# Altium PCB Headstage_V003.PcbDoc (part 2 of 2) (continued)
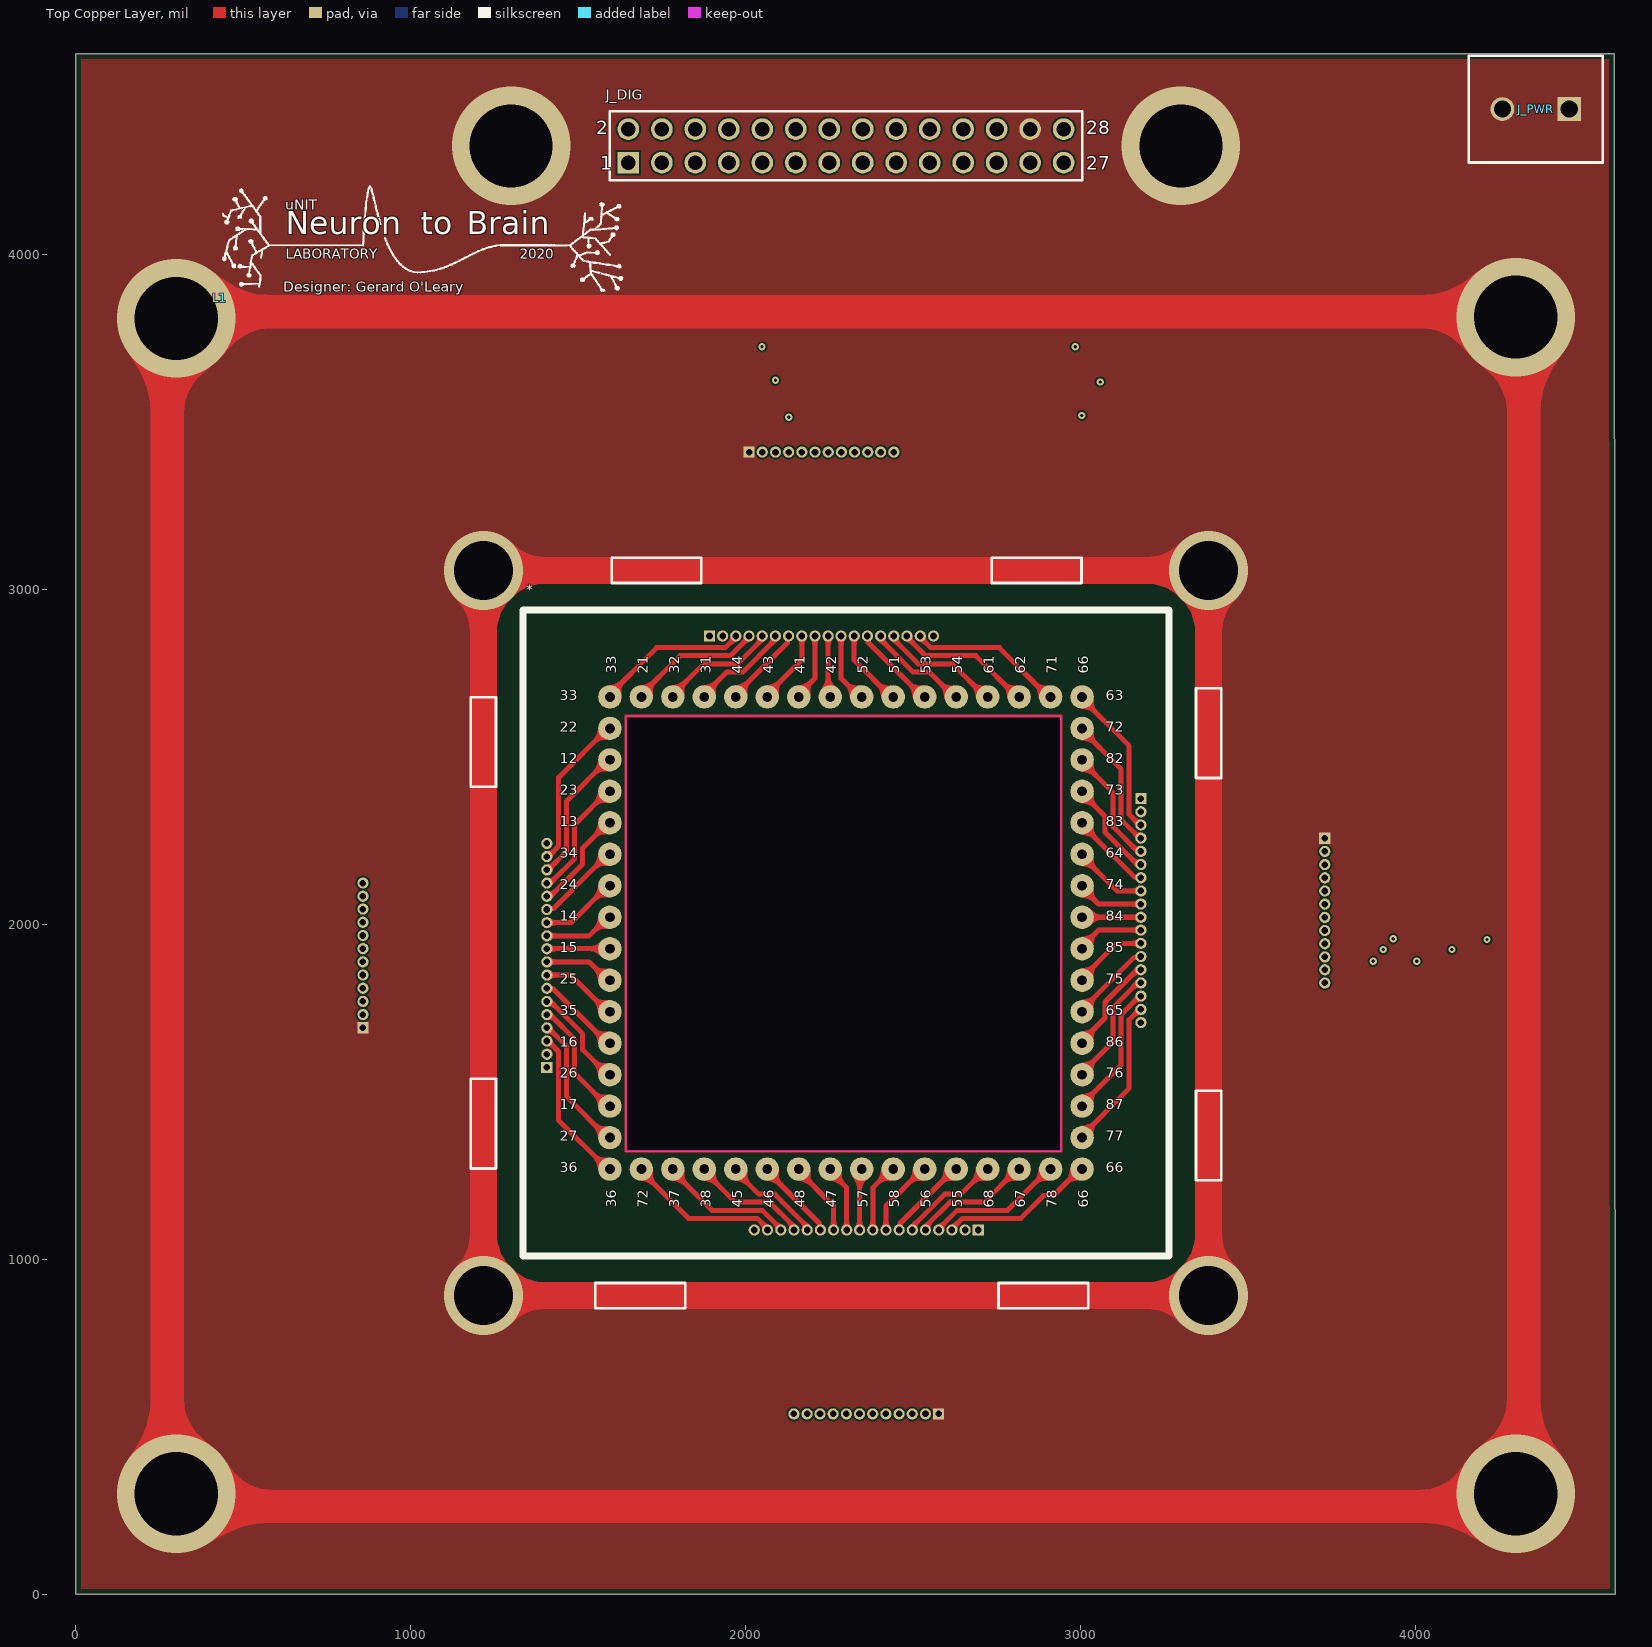
[diagram p0: Top Copper Layer view]
## Nets (pads, with @x,y where several pads share a name; then routed paths per layer and width w, separated by ;. In a path a pad name is that pad's centre, name@x,y a point inside that pad or via, vN(x,y) a via of type N, cw(c..) or ccw(c..) an arc to the next point about the centre after c; other vN are vias at no path point) (continued)
  Internal Copper Layer 1 w15: *.31@1869.76,2679.5 1944.76,2754.5 1992.76,2754.5 2086.61,2848.35 2086.61,2858.92 M4.18@2089.18,2861.5
  Internal Copper Layer 2 w15: 1944.76,2754.5 1869.76,2679.5 1944.76,2754.5 ; 1944.76,2754.5 1992.76,2754.5 ; 1944.76,2754.5 1992.76,2754.5 ; 1992.76,2754.5 M4.18@2086.61,2848.35 ; 1992.76,2754.5 M4.18@2086.61,2848.35 ; M4.18@2086.61,2848.35 M4.18@2086.61,2858.92 ; M4.18@2086.61,2848.35 M4.18@2086.61,2858.92 ; M4.18@2086.61,2858.92 M4.18@2089.18,2861.5 M4.18@2086.61,2858.92
  Bottom Copper Layer w15: *.31@1869.76,2679.5 1944.76,2754.5 1992.76,2754.5 2086.61,2848.35 2086.61,2858.92 M4.18@2089.18,2861.5
E4_4: *.44 M4.19 | length 2002.1
  Top Copper Layer w15: *.44@1963.76,2679.5 2012.76,2728.5 ; *.44@1963.76,2679.5 2012.76,2728.5 ; *.44@1963.76,2679.5 2012.76,2728.5 ; *.44@1963.76,2679.5 2012.76,2728.5 ; 2012.76,2728.5 2125.98,2841.72 ; 2012.76,2728.5 2125.98,2841.72 ; 2012.76,2728.5 2125.98,2841.72 ; 2012.76,2728.5 2125.98,2841.72 ; 2125.98,2841.72 M4.19@2125.98,2858.92 ; 2125.98,2841.72 M4.19@2125.98,2858.92 ; 2125.98,2841.72 M4.19@2125.98,2858.92 ; 2125.98,2841.72 M4.19@2125.98,2858.92 ; M4.19@2125.98,2858.92 M4.19@2128.55,2861.5 ; M4.19@2125.98,2858.92 M4.19@2128.55,2861.5 ; M4.19@2125.98,2858.92 M4.19@2128.55,2861.5 ; M4.19@2125.98,2858.92 M4.19@2128.55,2861.5
  Internal Copper Layer 1 w15: *.44@1963.76,2679.5 2012.76,2728.5 2125.98,2841.72 2125.98,2858.92 M4.19@2128.55,2861.5
  Internal Copper Layer 2 w15: 2012.76,2728.5 1963.76,2679.5 2012.76,2728.5 ; 2012.76,2728.5 2125.98,2841.72 ; 2012.76,2728.5 2125.98,2841.72 ; 2125.98,2841.72 M4.19@2125.98,2858.92 ; 2125.98,2841.72 M4.19@2125.98,2858.92 ; M4.19@2125.98,2858.92 M4.19@2128.55,2861.5 M4.19@2125.98,2858.92
  Bottom Copper Layer w15: *.44@1963.76,2679.5 2012.76,2728.5 2125.98,2841.72 2125.98,2858.92 M4.19@2128.55,2861.5
E4_5: *.43 M4.20 | length 1821.1
  Top Copper Layer w15: *.43@2057.76,2679.5 2167.92,2789.67 ; *.43@2057.76,2679.5 2167.92,2789.67 ; *.43@2057.76,2679.5 2167.92,2789.67 ; *.43@2057.76,2679.5 2167.92,2789.67 ; 2167.92,2789.67 M4.20@2167.92,2861.5 ; 2167.92,2789.67 M4.20@2167.92,2861.5 ; 2167.92,2789.67 M4.20@2167.92,2861.5 ; 2167.92,2789.67 M4.20@2167.92,2861.5
  Internal Copper Layer 1 w15: *.43@2057.76,2679.5 2167.92,2789.67 M4.20@2167.92,2861.5
  Internal Copper Layer 2 w15: 2167.92,2789.67 2057.76,2679.5 2167.92,2789.67 ; 2167.92,2789.67 M4.20@2167.92,2861.5 2167.92,2789.67
  Bottom Copper Layer w15: *.43@2057.76,2679.5 2167.92,2789.67 M4.20@2167.92,2861.5
E4_6: *.41 M4.21 | length 1640
  Top Copper Layer w15: *.41@2151.76,2679.5 2207.29,2735.04 ; *.41@2151.76,2679.5 2207.29,2735.04 ; *.41@2151.76,2679.5 2207.29,2735.04 ; *.41@2151.76,2679.5 2207.29,2735.04 ; 2207.29,2735.04 M4.21@2207.29,2861.5 ; 2207.29,2735.04 M4.21@2207.29,2861.5 ; 2207.29,2735.04 M4.21@2207.29,2861.5 ; 2207.29,2735.04 M4.21@2207.29,2861.5
  Internal Copper Layer 1 w15: *.41@2151.76,2679.5 2207.29,2735.04 M4.21@2207.29,2861.5
  Internal Copper Layer 2 w15: 2207.29,2735.04 2151.76,2679.5 2207.29,2735.04 ; 2207.29,2735.04 M4.21@2207.29,2861.5 2207.29,2735.04
  Bottom Copper Layer w15: *.41@2151.76,2679.5 2207.29,2735.04 M4.21@2207.29,2861.5
E4_7: *.42 M4.22 | length 1456
  Top Copper Layer w15: *.42@2246.66,2679.5 M4.22@2246.66,2861.5 ; *.42@2246.66,2679.5 M4.22@2246.66,2861.5 ; *.42@2246.66,2679.5 M4.22@2246.66,2861.5 ; *.42@2246.66,2679.5 M4.22@2246.66,2861.5
  Internal Copper Layer 1 w15: *.42@2246.66,2679.5 M4.22@2246.66,2861.5
  Internal Copper Layer 2 w15: *.42@2246.66,2679.5 M4.22@2246.66,2861.5 *.42@2246.66,2679.5
  Bottom Copper Layer w15: *.42@2246.66,2679.5 M4.22@2246.66,2861.5
E4_8: *.52 M4.23 | length 1640
  Top Copper Layer w15: 2285.13,2735.04 M4.23@2285.13,2861.5 ; 2285.13,2735.04 M4.23@2285.13,2861.5 ; 2285.13,2735.04 M4.23@2285.13,2861.5 ; 2285.13,2735.04 *.52@2340.66,2679.5 ; 2285.13,2735.04 *.52@2340.66,2679.5 ; 2285.13,2735.04 *.52@2340.66,2679.5 ; 2285.13,2735.04 M4.23@2285.13,2861.5 ; 2285.13,2735.04 *.52@2340.66,2679.5
  Internal Copper Layer 1 w15: M4.23@2285.13,2861.5 2285.13,2735.04 *.52@2340.66,2679.5
  Internal Copper Layer 2 w15: 2285.13,2735.04 M4.23@2285.13,2861.5 2285.13,2735.04 ; 2285.13,2735.04 2340.66,2679.5 2285.13,2735.04
  Bottom Copper Layer w15: M4.23@2285.13,2861.5 2285.13,2735.04 *.52@2340.66,2679.5
E4_9: *.51 M4.24 | length 1821.1
  Top Copper Layer w15: 2324.5,2789.67 *.51@2434.66,2679.5 ; 2324.5,2789.67 *.51@2434.66,2679.5 ; 2324.5,2789.67 *.51@2434.66,2679.5 ; 2324.5,2789.67 *.51@2434.66,2679.5 ; 2324.5,2789.67 M4.24@2324.5,2861.5 ; 2324.5,2789.67 M4.24@2324.5,2861.5 ; 2324.5,2789.67 M4.24@2324.5,2861.5 ; 2324.5,2789.67 M4.24@2324.5,2861.5
  Internal Copper Layer 1 w15: M4.24@2324.5,2861.5 2324.5,2789.67 *.51@2434.66,2679.5
  Internal Copper Layer 2 w15: 2324.5,2789.67 M4.24@2324.5,2861.5 2324.5,2789.67 ; 2324.5,2789.67 2434.66,2679.5 2324.5,2789.67
  Bottom Copper Layer w15: M4.24@2324.5,2861.5 2324.5,2789.67 *.51@2434.66,2679.5
E4_10: *.53 M4.25 | length 2002.1
  Top Copper Layer w15: M4.25@2363.87,2861.5 M4.25@2366.44,2858.92 ; M4.25@2363.87,2861.5 M4.25@2366.44,2858.92 ; M4.25@2363.87,2861.5 M4.25@2366.44,2858.92 ; M4.25@2363.87,2861.5 M4.25@2366.44,2858.92 ; 2366.44,2841.72 M4.25@2366.44,2858.92 ; 2366.44,2841.72 2479.66,2728.5 ; 2366.44,2841.72 2479.66,2728.5 ; 2366.44,2841.72 2479.66,2728.5 ; 2366.44,2841.72 2479.66,2728.5 ; 2366.44,2841.72 M4.25@2366.44,2858.92 ; 2366.44,2841.72 M4.25@2366.44,2858.92 ; 2366.44,2841.72 M4.25@2366.44,2858.92 ; 2479.66,2728.5 *.53@2528.66,2679.5 ; 2479.66,2728.5 *.53@2528.66,2679.5 ; 2479.66,2728.5 *.53@2528.66,2679.5 ; 2479.66,2728.5 *.53@2528.66,2679.5
  Internal Copper Layer 1 w15: M4.25@2363.87,2861.5 2366.44,2858.92 2366.44,2841.72 2479.66,2728.5 *.53@2528.66,2679.5
  Internal Copper Layer 2 w15: 2366.44,2841.72 2479.66,2728.5 ; 2366.44,2841.72 2479.66,2728.5 ; 2366.44,2841.72 M4.25@2366.44,2858.92 ; 2366.44,2841.72 M4.25@2366.44,2858.92 ; M4.25@2366.44,2858.92 M4.25@2363.87,2861.5 M4.25@2366.44,2858.92 ; 2479.66,2728.5 2528.66,2679.5 2479.66,2728.5
  Bottom Copper Layer w15: M4.25@2363.87,2861.5 2366.44,2858.92 2366.44,2841.72 2479.66,2728.5 *.53@2528.66,2679.5
E4_11: *.54 M4.26 | length 2408.1
  Top Copper Layer w15: M4.26@2403.24,2861.5 M4.26@2405.81,2858.92 ; M4.26@2403.24,2861.5 M4.26@2405.81,2858.92 ; M4.26@2403.24,2861.5 M4.26@2405.81,2858.92 ; M4.26@2403.24,2861.5 M4.26@2405.81,2858.92 ; M4.26@2405.81,2848.35 2499.66,2754.5 ; M4.26@2405.81,2848.35 2499.66,2754.5 ; M4.26@2405.81,2848.35 2499.66,2754.5 ; M4.26@2405.81,2848.35 2499.66,2754.5 ; M4.26@2405.81,2848.35 M4.26@2405.81,2858.92 ; M4.26@2405.81,2848.35 M4.26@2405.81,2858.92 ; M4.26@2405.81,2848.35 M4.26@2405.81,2858.92 ; M4.26@2405.81,2848.35 M4.26@2405.81,2858.92 ; 2499.66,2754.5 2547.66,2754.5 ; 2499.66,2754.5 2547.66,2754.5 ; 2499.66,2754.5 2547.66,2754.5 ; 2499.66,2754.5 2547.66,2754.5 ; 2547.66,2754.5 *.54@2622.66,2679.5 ; 2547.66,2754.5 *.54@2622.66,2679.5 ; 2547.66,2754.5 *.54@2622.66,2679.5 ; 2547.66,2754.5 *.54@2622.66,2679.5
  Internal Copper Layer 1 w15: M4.26@2403.24,2861.5 2405.81,2858.92 2405.81,2848.35 2499.66,2754.5 2547.66,2754.5 *.54@2622.66,2679.5
  Internal Copper Layer 2 w15: M4.26@2405.81,2848.35 2499.66,2754.5 ; M4.26@2405.81,2848.35 2499.66,2754.5 ; M4.26@2405.81,2848.35 M4.26@2405.81,2858.92 ; M4.26@2405.81,2848.35 M4.26@2405.81,2858.92 ; M4.26@2405.81,2858.92 M4.26@2403.24,2861.5 M4.26@2405.81,2858.92 ; 2499.66,2754.5 2547.66,2754.5 ; 2499.66,2754.5 2547.66,2754.5 ; 2547.66,2754.5 2622.66,2679.5 2547.66,2754.5
  Bottom Copper Layer w15: M4.26@2403.24,2861.5 2405.81,2858.92 2405.81,2848.35 2499.66,2754.5 2547.66,2754.5 *.54@2622.66,2679.5
E4_12: *.61 M4.27 | length 2842.1
  Top Copper Layer w15: M4.27@2442.61,2861.5 M4.27@2445.18,2858.92 ; M4.27@2442.61,2861.5 M4.27@2445.18,2858.92 ; M4.27@2442.61,2861.5 M4.27@2445.18,2858.92 ; M4.27@2442.61,2861.5 M4.27@2445.18,2858.92 ; M4.27@2445.18,2848.98 2515.66,2778.5 ; M4.27@2445.18,2848.98 2515.66,2778.5 ; M4.27@2445.18,2848.98 2515.66,2778.5 ; M4.27@2445.18,2848.98 2515.66,2778.5 ; M4.27@2445.18,2848.98 M4.27@2445.18,2858.92 ; M4.27@2445.18,2848.98 M4.27@2445.18,2858.92 ; M4.27@2445.18,2848.98 M4.27@2445.18,2858.92 ; M4.27@2445.18,2848.98 M4.27@2445.18,2858.92 ; 2515.66,2778.5 2617.66,2778.5 ; 2515.66,2778.5 2617.66,2778.5 ; 2515.66,2778.5 2617.66,2778.5 ; 2515.66,2778.5 2617.66,2778.5 ; 2617.66,2778.5 *.61@2716.66,2679.5 ; 2617.66,2778.5 *.61@2716.66,2679.5 ; 2617.66,2778.5 *.61@2716.66,2679.5 ; 2617.66,2778.5 *.61@2716.66,2679.5
  Internal Copper Layer 1 w15: M4.27@2442.61,2861.5 2445.18,2858.92 2445.18,2848.98 2515.66,2778.5 2617.66,2778.5 *.61@2716.66,2679.5
  Internal Copper Layer 2 w15: M4.27@2445.18,2848.98 2515.66,2778.5 ; M4.27@2445.18,2848.98 2515.66,2778.5 ; M4.27@2445.18,2848.98 M4.27@2445.18,2858.92 ; M4.27@2445.18,2848.98 M4.27@2445.18,2858.92 ; M4.27@2445.18,2858.92 M4.27@2442.61,2861.5 M4.27@2445.18,2858.92 ; 2515.66,2778.5 2617.66,2778.5 ; 2515.66,2778.5 2617.66,2778.5 ; 2617.66,2778.5 2716.66,2679.5 2617.66,2778.5
  Bottom Copper Layer w15: M4.27@2442.61,2861.5 2445.18,2858.92 2445.18,2848.98 2515.66,2778.5 2617.66,2778.5 *.61@2716.66,2679.5
E4_13: *.62 M4.28 | length 3249.6
  Top Copper Layer w15: M4.28@2481.98,2857.86 2537.34,2802.5 ; M4.28@2481.98,2857.86 2537.34,2802.5 ; M4.28@2481.98,2857.86 2537.34,2802.5 ; M4.28@2481.98,2857.86 2537.34,2802.5 ; M4.28@2481.98,2857.86 M4.28@2481.98,2861.5 ; M4.28@2481.98,2857.86 M4.28@2481.98,2861.5 ; M4.28@2481.98,2857.86 M4.28@2481.98,2861.5 ; M4.28@2481.98,2857.86 M4.28@2481.98,2861.5 ; 2537.34,2802.5 2687.66,2802.5 ; 2537.34,2802.5 2687.66,2802.5 ; 2537.34,2802.5 2687.66,2802.5 ; 2537.34,2802.5 2687.66,2802.5 ; 2687.66,2802.5 *.62@2810.66,2679.5 ; 2687.66,2802.5 *.62@2810.66,2679.5 ; 2687.66,2802.5 *.62@2810.66,2679.5 ; 2687.66,2802.5 *.62@2810.66,2679.5
  Internal Copper Layer 1 w15: M4.28@2481.98,2861.5 2481.98,2857.86 2537.34,2802.5 2687.66,2802.5 *.62@2810.66,2679.5
  Internal Copper Layer 2 w15: M4.28@2481.98,2857.86 2537.34,2802.5 ; M4.28@2481.98,2857.86 2537.34,2802.5 ; M4.28@2481.98,2857.86 M4.28@2481.98,2861.5 M4.28@2481.98,2857.86 ; 2537.34,2802.5 2687.66,2802.5 ; 2537.34,2802.5 2687.66,2802.5 ; 2687.66,2802.5 2810.66,2679.5 2687.66,2802.5
  Bottom Copper Layer w15: M4.28@2481.98,2861.5 2481.98,2857.86 2537.34,2802.5 2687.66,2802.5 *.62@2810.66,2679.5
E4_14: *.71 M4.29 | length 3685.2
  Top Copper Layer w15: M4.29@2521.8,2857.86 M4.29@2521.8,2861.5 ; M4.29@2521.8,2857.86 M4.29@2521.8,2861.5 ; M4.29@2521.8,2857.86 M4.29@2521.8,2861.5 ; M4.29@2521.8,2857.86 M4.29@2521.8,2861.5 ; M4.29@2521.8,2857.86 M4.29@2530.44,2849.22 ; M4.29@2521.8,2857.86 M4.29@2530.44,2849.22 ; M4.29@2521.8,2857.86 M4.29@2530.44,2849.22 ; M4.29@2521.8,2857.86 M4.29@2530.44,2849.22 ; M4.29@2530.44,2848.77 M4.29@2530.44,2849.22 ; M4.29@2530.44,2848.77 M4.29@2530.44,2849.22 ; M4.29@2530.44,2848.77 M4.29@2530.44,2849.22 ; M4.29@2530.44,2848.77 M4.29@2530.44,2849.22 ; M4.29@2530.44,2848.77 2552.71,2826.5 ; M4.29@2530.44,2848.77 2552.71,2826.5 ; M4.29@2530.44,2848.77 2552.71,2826.5 ; M4.29@2530.44,2848.77 2552.71,2826.5 ; 2552.71,2826.5 2757.66,2826.5 ; 2552.71,2826.5 2757.66,2826.5 ; 2552.71,2826.5 2757.66,2826.5 ; 2552.71,2826.5 2757.66,2826.5 ; 2757.66,2826.5 *.71@2904.66,2679.5 ; 2757.66,2826.5 *.71@2904.66,2679.5 ; 2757.66,2826.5 *.71@2904.66,2679.5 ; 2757.66,2826.5 *.71@2904.66,2679.5
  Internal Copper Layer 1 w15: M4.29@2521.8,2861.5 2521.8,2857.86 2530.44,2849.22 2530.44,2848.77 2552.71,2826.5 2757.66,2826.5 *.71@2904.66,2679.5
  Internal Copper Layer 2 w15: M4.29@2521.8,2857.86 M4.29@2530.44,2849.22 ; M4.29@2521.8,2857.86 M4.29@2530.44,2849.22 ; M4.29@2521.8,2857.86 M4.29@2521.8,2861.5 M4.29@2521.8,2857.86 ; M4.29@2530.44,2848.77 2552.71,2826.5 ; M4.29@2530.44,2848.77 2552.71,2826.5 ; M4.29@2530.44,2848.77 M4.29@2530.44,2849.22 ; M4.29@2530.44,2848.77 M4.29@2530.44,2849.22 ; 2552.71,2826.5 2757.66,2826.5 ; 2552.71,2826.5 2757.66,2826.5 ; 2757.66,2826.5 2904.66,2679.5 2757.66,2826.5
  Bottom Copper Layer w15: M4.29@2521.8,2861.5 2521.8,2857.86 2530.44,2849.22 2530.44,2848.77 2552.71,2826.5 2757.66,2826.5 *.71@2904.66,2679.5
E4_15: M4.30
GND: J_DIG.26 J_PWR.1 J_PWR.2 M1.1 M2.1 M3.1 M4.1 MP?.1 | length 47791.8
  Top Copper Layer w80: v3(1217.32,891.81) 1217.32,1326.26 1217.32,1405 1217.32,1483.74 1217.32,2466.26 1217.32,2545 1217.32,2623.74 v3(1217.32,3057.17) 1655.59,3057.17 1734.33,3057.17 1813.07,3057.17 2790.59,3057.17 2869.33,3057.17 2948.07,3057.17 v3(3382.68,3057.17) 3382.68,2650 3382.68,2571.26 3382.68,2492.52 3382.68,1448.74 3382.68,1370 3382.68,1291.26 v3(3382.68,891.81) 2968.07,891.81 2889.33,891.81 2810.59,891.81 1764.33,891.81 1685.59,891.81 1606.85,891.81 v3(1217.32,891.81)
  Top Copper Layer w100: v2@4324.33,250 v2@4324.33,3815 ; v2@4324.33,3813.52 4307.85,3830 292.44,3830 272.44,3810 272.44,261.89 v2@4327.56,261.89
  Bottom Copper Layer w80: v3(1217.32,891.81) MP?.1@1217.32,1326.26 MP?.1@1217.32,1405 MP?.1@1217.32,1483.74 MP?.1@1217.32,2466.26 MP?.1@1217.32,2545 MP?.1@1217.32,2623.74 v3(1217.32,3057.17) MP?.1@1655.59,3057.17 MP?.1@1734.33,3057.17 MP?.1@1813.07,3057.17 MP?.1@2790.59,3057.17 MP?.1@2869.33,3057.17 MP?.1@2948.07,3057.17 v3(3382.68,3057.17) MP?.1@3382.68,2650 MP?.1@3382.68,2571.26 MP?.1@3382.68,2492.52 MP?.1@3382.68,1448.74 MP?.1@3382.68,1370 MP?.1@3382.68,1291.26 v3(3382.68,891.81) MP?.1@2968.07,891.81 MP?.1@2889.33,891.81 MP?.1@2810.59,891.81 MP?.1@1764.33,891.81 MP?.1@1685.59,891.81 MP?.1@1606.85,891.81 v3(1217.32,891.81)
  Bottom Copper Layer w100: v2@4324.33,250 4324.33,3813.52 4307.85,3830 292.44,3830 272.44,3810 272.44,261.89 v2@4327.56,261.89
  other v2: 300,300 4300,300 300,3810 4300,3813.52 1300,4325 3300,4325
M1_MISON: J_DIG.24 M1.11 | length 3492.4
  Internal Copper Layer 2 w20: J_DIG.24@2758.75,4383.75 2758.75,4383.16 2703.52,4327.93 2703.52,3721.82 2990.34,3435 3607.13,3435 3924.33,3117.8 3924.33,2054.2 3742.56,1872.43 3741.21,1872.43 3733.48,1864.7 M1.11@3729.84,1864.7
M1_MISOP: J_DIG.23 M1.12 | length 3403.9
  Internal Copper Layer 2 w20: J_DIG.23@2750.41,4276.48 2750.41,3710.28 3000.69,3460 3620,3460 3949.33,3130.67 3949.33,2040.73 3742.56,1833.97 3742.12,1833.97 3733.48,1825.33 M1.12@3729.84,1825.33
M1_MOSIN: J_DIG.22 M1.9 | length 3402.5
  Internal Copper Layer 2 w20: J_DIG.22@2650,4375 2650,4374.41 2602.52,4326.93 2602.52,3752.11 2969.63,3385 3586.42,3385 3874.33,3097.09 3874.33,2082.94 3742.56,1951.17 3742.12,1951.17 3733.48,1942.53 M1.9@3729.84,1942.53
M1_MOSIP: J_DIG.21 M1.10 | length 3323.2
  Internal Copper Layer 2 w20: J_DIG.21@2650,4275 2650.41,4274.59 2650.41,3739.57 2979.98,3410 3596.78,3410 3899.33,3107.45 3899.33,2068.57 3742.56,1911.8 3742.12,1911.8 3733.48,1903.16 M1.10@3729.84,1903.16
M2_MISON: J_DIG.12 M2.11 | length 5747.3
  Internal Copper Layer 2 w20: J_DIG.12@2150,4375 2100,4325 2100,3983.94 2075,3958.94 2075,3956.11 1666.12,3547.24 1306.12,3547.24 964.22,3205.33 964.22,1971.94 1025.36,1910.8 1025.36,1603.88 998,1576.52 970,1548.52 970,702.13 998,674.13 1182.13,490 2139.18,490 2156.77,507.59 2157.22,507.59 2175.22,525.6 2175.22,526.05 2183.86,534.68 M2.11@2183.86,538.33
M2_MISOP: J_DIG.11 M2.12 | length 5543.4
  Internal Copper Layer 2 w20: M2.12@2144.49,538.33 2142.66,538.33 2119.33,515 1192.49,515 995,712.49 995,1538.17 1050.36,1593.52 1050.36,1921.15 989.22,1982.29 989.22,3194.98 1316.48,3522.24 1676.48,3522.24 2125,3970.76 2125,3975 2150,4000 J_DIG.11@2150,4275
M2_MOSIN: J_DIG.10 M2.9 | length 5925.1
  Internal Copper Layer 2 w20: J_DIG.10@2060.9,4385.9 2000,4325 2000,3951.82 1645.41,3597.24 1285.41,3597.24 914.22,3226.04 914.22,1951.23 975.36,1890.09 975.36,1624.59 948,1597.23 920,1569.23 920,681.42 948,653.42 1163.42,438 2165.01,438 2234.61,507.59 2235.05,507.59 2253.06,525.6 2253.06,526.05 2261.7,534.68 M2.9@2261.7,538.33
M2_MOSIP: J_DIG.9 M2.10 | length 5708.7
  Internal Copper Layer 2 w20: J_DIG.9@2050,4275 2050,3966.47 1655.77,3572.24 1295.77,3572.24 939.22,3215.69 939.22,1961.58 1000.36,1900.44 1000.36,1614.23 973,1586.88 945,1558.88 945,691.78 973,663.78 1173.78,463 2152,463 2214.59,525.6 2214.59,526.95 2222.33,534.68 M2.10@2222.33,538.33
M3_MISON: J_DIG.8 M3.11 | length 2984.6
  Internal Copper Layer 2 w20: M3.11@857.49,2084.3 853.84,2084.3 845.21,2092.94 844.76,2092.94 826.62,2111.07 826.62,3210.57 1261.29,3645.24 1625.53,3645.24 1900,3919.71 1900,4325 J_DIG.8@1950,4375
M3_MISOP: J_DIG.7 M3.12 | length 2817.4
  Internal Copper Layer 2 w20: M3.12@857.49,2123.67 857.49,3207.49 1271.24,3621.24 1635.47,3621.24 1950,3935.76 J_DIG.7@1950,4275.21
M3_MOSIN: J_DIG.6 M3.9 | length 3074.7
  Internal Copper Layer 2 w20: M3.9@857.49,2006.47 853.84,2006.47 845.21,2015.1 844.76,2015.1 778.62,2081.24 778.62,3230.45 1241.41,3693.24 1605.65,3693.24 1800,3887.59 1800,4325 J_DIG.6@1859.86,4384.86
M3_MOSIP: J_DIG.5 M3.10 | length 2902
  Internal Copper Layer 2 w20: M3.10@857.49,2045.84 853.84,2045.84 846.11,2053.57 844.76,2053.57 802.62,2095.7 802.62,3220.51 1251.35,3669.24 1615.59,3669.24 1850,3903.65 J_DIG.5@1850,4275
M4_MISON: J_DIG.20 M4.11 | length 1042.7
  Internal Copper Layer 2 w20: M4.11@2403.46,3410.67 2403.46,3568.01 2500,3664.55 2500,4320 J_DIG.20@2566.03,4386.03
M4_MISOP: J_DIG.19 M4.12 | length 903.7
  Internal Copper Layer 2 w20: M4.12@2442.83,3410.67 2442.83,3560.09 2550,3667.26 J_DIG.19@2550,4270
M4_MOSIN: J_DIG.18 M4.9 | length 1019.3
  Internal Copper Layer 2 w20: M4.9@2325.63,3410.67 2325.63,3593.25 2400,3667.62 2400,4320 J_DIG.18@2455.97,4375.97
M4_MOSIP: J_DIG.17 M4.10 | length 894.5
  Internal Copper Layer 2 w20: M4.10@2365,3410.67 2365,3580.67 2450,3665.67 J_DIG.17@2450,4270
M14_CSN: J_DIG.14 M1.5 M4.5 | length 3762.4
  Internal Copper Layer 2 w20: 2168.15,3565 M4.5@2168.15,3410.67 2170.72,3408.1 2170.72,3388.61 2274.33,3285 3545,3285 3774.33,3055.67 3774.33,2125 3749.34,2100.01 M1.5@3729.84,2100.01 ; 2168.15,3568.82 2168.15,3633.15 2200,3665 2200,4330 J_DIG.14@2259.05,4389.05
M14_CSP: J_DIG.13 M1.6 M4.6 | length 3669.8
  Internal Copper Layer 2 w20: M4.6@2207.52,3404.87 2209.67,3404.87 2210.09,3404.45 2210.09,3383.18 2283.27,3310 3555.36,3310 3799.33,3066.02 3799.33,2114.64 3747.91,2063.22 3732.41,2063.22 M1.6@3729.84,2060.64 ; M4.6@2207.52,3410.67 2207.52,3622.52 2250,3665 J_DIG.13@2250,4275
M14_SCLKN: J_DIG.16 M1.7 M4.7 | length 3837.9
  Internal Copper Layer 2 w20: 2246.89,3575 2246.89,3407.03 2254.53,3399.39 2254.53,3398.94 2318.47,3335 3565.71,3335 3824.33,3076.38 3824.33,2104.29 3743.89,2023.85 3732.41,2023.85 M1.7@3729.84,2021.27 ; 2246.89,3577.26 2246.89,3612.12 2300,3665.23 2300,4320 J_DIG.16@2363.33,4383.33
M14_SCLKP: J_DIG.15 M1.8 M4.8 | length 3749.1
  Internal Copper Layer 2 w20: J_DIG.15@2350,4275 2350,3665.67 2286.26,3601.93 2286.26,3407.03 2293.9,3399.39 2293.9,3398.94 2332.84,3360 3576.07,3360 3849.33,3086.73 3849.33,2093.93 3739.88,1984.48 3732.41,1984.48 M1.8@3729.84,1981.9
M23_CSN: J_DIG.2 M2.5 M3.5 | length 6237.4
  Internal Copper Layer 2 w20: M3.5@851.27,1846.41 846.21,1841.35 844.34,1841.35 820,1817 820,640 1122,338 2222.94,338 2264.94,380 2410.54,525.6 2410.54,526.05 2419.18,534.68 M2.5@2419.18,538.33 ; M3.5@857.49,1848.99 853.84,1848.99 846.21,1856.62 845.76,1856.62 682.39,2019.99 682.39,3269.98 1202.41,3790 1565,3790 1600,3825 1600,4325 J_DIG.2@1645.14,4370.14
M23_CSP: J_DIG.1 M2.6 M3.6 | length 6063.4
  Top Copper Layer w20: M3.6@854.91,1890.93 M3.6@857.49,1888.36
  Internal Copper Layer 2 w20: M3.6@855.67,1886.53 845.21,1896.99 844.76,1896.99 706.39,2035.36 706.39,3260.04 1211.59,3765.24 1575.82,3765.24 1650,3839.41 J_DIG.1@1650,4270 ; M3.6@857.49,1888.36 861.13,1888.36 868.77,1880.72 869.22,1880.72 900.36,1849.58 900.36,1655.66 873,1628.3 845,1600.3 845,650.36 873,622.36 1132.36,363 2208.57,363 2371.17,525.6 2371.17,526.05 2379.81,534.68 M2.6@2379.81,538.33
M23_SCLKN: J_DIG.4 M2.7 M3.7 | length 6118.5
  Top Copper Layer w20: M3.7@854.91,1930.3 M3.7@857.49,1927.73
  Internal Copper Layer 2 w20: M3.7@854.91,1930.3 851.27,1930.3 845.21,1936.36 844.76,1936.36 730.62,2050.5 730.62,3250.33 1221.53,3741.24 1585.77,3741.24 1700,3855.47 1700,4325 J_DIG.4@1761.16,4386.16 ; M3.7@860.06,1925.15 863.71,1925.15 868.77,1920.09 869.22,1920.09 925.36,1863.95 925.36,1645.3 898,1617.94 870,1589.94 870,660.71 898,632.71 1142.71,388 2194.2,388 2340.44,534.23 M2.7@2340.44,538.33
M23_SCLKP: J_DIG.3 M2.8 M3.8 | length 5906.7
  Top Copper Layer w20: M3.8@857.49,1967.1 M3.8@860.06,1964.52
  Internal Copper Layer 2 w20: M3.8@857.49,1967.1 853.84,1967.1 845.21,1975.73 844.76,1975.73 754.62,2065.87 754.62,3240.39 1231.47,3717.24 1595.71,3717.24 1750,3871.53 J_DIG.3@1750,4275.21 ; M3.8@860.06,1964.52 863.71,1964.52 868.77,1959.46 870.63,1959.46 950.36,1879.73 950.36,1634.95 923,1607.59 895,1579.59 895,671.07 923,643.07 1153.07,413 2179.83,413 2292.43,525.6 2292.43,526.05 2301.07,534.68 M2.8@2301.07,538.33
MISO1h_N: 
MISO1h_P: 
MOSI1h_N: 
MOSI1h_P: 
nCS1h_N: 
nCS1h_P: 
SCLK1h_N: 
SCLK1h_P: 
VDD: J_DIG.25 M1.4 M2.4 M3.4 M4.4 | length 10743
  Internal Copper Layer 1 w25: M1.4@3729.84,2139.38 3732.13,2139.38 3738.26,2133.25 3743.6,2133.25 3874.33,2002.52 v1(3874.33,1890)
  Internal Copper Layer 1 w30: 739.33,1880 809.05,1810.28 856.83,1810.28 M3.4@857.49,1809.62 ; M2.4@2458.55,538.33 2458.55,539.26 2462.18,542.9 2462.18,554.77 2545.47,638.06 2587.3,638.06
  Internal Copper Layer 1 w100: 739.33,1880 605,2014.33 605,3295 827,3517 2129.33,3517 3004.33,3517 3788,3517 4006.33,3298.67 4006.33,1890 4006.33,781.33 3862.08,637.08 2628.75,637.08 2627.77,638.06 2587.3,638.06
  Internal Copper Layer 2 w25: M4.4@2128.78,3410.67 2128.78,3514.45 v1(2129.33,3515) ; v1(3874.33,1890) v1(4004.33,1890)
  Internal Copper Layer 2 w60: J_DIG.25@2850,4275 2850,3674.33 v1(3004.33,3520)
VREF: *.15 M1.14 M2.14 M3.14 M3.22 M4.14 | length 12816.8
  Top Copper Layer w15: M3.22@1406.66,1927.5 *.15@1588.66,1927.5 ; M3.22@1406.66,1927.5 *.15@1588.66,1927.5 ; M3.22@1406.66,1927.5 *.15@1588.66,1927.5 ; M3.22@1406.66,1927.5 *.15@1588.66,1927.5
  Internal Copper Layer 1 w15: 1282.99,1927.5 M3.22@1406.66,1927.5 *.15@1588.66,1927.5
  Internal Copper Layer 1 w30: 1290.98,1612.54 M3.14@1406.66,1612.54 ; M4.14@1931.7,2861.5 1931.7,2960 ; 2655.62,971.82 M2.14@2655.62,1087.5 ; M1.14@3180.66,2336.46 3296.35,2336.46
  Internal Copper Layer 1 w90: 1309.33,1630.89 1309.33,1927.5 1309.33,2555 1714.33,2960 1931.7,2960 2874.33,2960 3284.33,2550 3284.33,2336.46 3284.33,1983.04 3284.33,1340 2934.33,990 2673.81,990
  Internal Copper Layer 2 w15: 1282.99,1927.5 M3.22@1406.66,1927.5 *.15@1588.66,1927.5
  Internal Copper Layer 2 w30: 1290.98,1612.54 M3.14@1406.66,1612.54 ; M4.14@1931.7,2861.5 1931.7,2960 ; 2655.62,971.82 M2.14@2655.62,1087.5 ; M1.14@3180.66,2336.46 3296.35,2336.46
  Internal Copper Layer 2 w90: 1309.33,1630.89 1309.33,1927.5 1309.33,2555 1714.33,2960 1931.7,2960 2874.33,2960 3284.33,2550 3284.33,2336.46 3284.33,1983.04 3284.33,1340 2934.33,990 2673.81,990
  Bottom Copper Layer w15: M3.22@1406.66,1927.5 *.15@1588.66,1927.5
VSTIMN: J_DIG.27 M1.2 M2.2 M3.2 M4.2 | length 12142.7
  Internal Copper Layer 1 w25: M2.2@2537.29,538.33 2538.91,536.71 2538.91,515.43 2625.25,429.08 ; M1.2@3729.84,2218.12 3731.45,2216.5 3742.37,2216.5 3934.33,2024.54 v1(3934.33,1957.33)
  Internal Copper Layer 1 w30: 589.33,1735 593.46,1730.88 M3.2@857.49,1730.88
  Internal Copper Layer 1 w100: 589.33,1735 397,1927.33 397,3381.16 740.84,3725 v1(2984.33,3725) 3874.16,3725 4214.33,3384.83 4214.33,695.17 3948.24,429.08 2625.25,429.08
  Internal Copper Layer 2 w25: v1(2049.33,3725) 2050.04,3724.29 M4.2@2050.04,3410.67 ; v1(3934.33,1957.33) 4212,1957.33 v1(4214.33,1955)
  Internal Copper Layer 2 w60: J_DIG.27@2950,4275 2950,3759.33 v1(2984.33,3725)
VSTIMP: J_DIG.28 M1.3 M2.3 M3.3 M4.3 | length 11539.2
  Internal Copper Layer 1 w25: M2.3@2497.92,538.33 2497.92,540.62 2504.05,546.75 2504.05,552.09 2523.52,571.56 2600.22,571.56 2638.7,533.08 2684.69,533.08 ; M1.3@3729.84,2178.75 3731.45,2177.13 3740.72,2177.13 3905.33,2012.53 3905.33,1926 v1(3904.33,1925)
  Internal Copper Layer 1 w30: 664.33,1807.08 666.13,1807.08 699.33,1773.88 852.91,1773.88 856.55,1770.25 M3.3@857.49,1770.25
  Internal Copper Layer 1 w100: 664.33,1807.08 501,1970.41 501,3338.08 783.92,3621 3059.33,3621 3831.08,3621 4110.33,3341.75 4110.33,738.25 3905.16,533.08 2684.69,533.08
  Internal Copper Layer 2 w25: v1(2089.33,3625) 2089.41,3624.92 M4.3@2089.41,3410.67 ; v1(3904.33,1925) v1(4109.33,1925)
  Internal Copper Layer 2 w60: J_DIG.28@2950,4375 2950.95,4374.05 2955.95,4374.05 3059.33,4270.67 v1(3059.33,3620)
pads on no net: M1.13 M2.13 M3.13 M4.13
copper on no net: | length 36400
  Top Copper Layer w7.8: 1642.66,1322.41 2942.66,1322.41 ; 1642.66,1322.41 2942.66,1322.41 ; 1642.66,1322.41 1642.66,2622.41 ; 1642.66,1322.41 1642.66,2622.41 ; 1642.66,1322.41 1642.66,2622.41 ; 1642.66,1322.41 1642.66,2622.41 ; 1642.66,1322.41 2942.66,1322.41 ; 1642.66,1322.41 2942.66,1322.41 ; 1642.66,2622.41 2942.66,2622.41 ; 1642.66,2622.41 2942.66,2622.41 ; 1642.66,2622.41 2942.66,2622.41 ; 1642.66,2622.41 2942.66,2622.41 ; 2942.66,1322.41 2942.66,2622.41 ; 2942.66,1322.41 2942.66,2622.41 ; 2942.66,1322.41 2942.66,2622.41 ; 2942.66,1322.41 2942.66,2622.41
  Internal Copper Layer 1 w7.8: 1642.66,1322.41 1642.66,2622.41 2942.66,2622.41 2942.66,1322.41 1642.66,1322.41
  Internal Copper Layer 2 w7.8: 1642.66,1322.41 1642.66,2622.41 ; 1642.66,1322.41 1642.66,2622.41 ; 1642.66,1322.41 2942.66,1322.41 ; 1642.66,1322.41 2942.66,1322.41 ; 1642.66,2622.41 2942.66,2622.41 ; 1642.66,2622.41 2942.66,2622.41 ; 2942.66,1322.41 2942.66,2622.41 ; 2942.66,1322.41 2942.66,2622.41

## Polygon pours and split planes (outlines as drawn)
GND on Top Copper Layer "GND_L01_P008" (solid, pour order 8): 4613.2,0 0,0 0,4600 4613.2,4600
GND on Bottom Copper Layer "GND_L04_P009" (solid, pour order 9): 0,0 4616.8,0 4616.8,4600 0,4600

## Other copper
Top Copper Layer:
  pour cut-out: 3382.68,891.81 3382.68,3057.17 1217.32,3057.17 1217.32,891.81
Bottom Copper Layer:
  pour cut-out: 3382.68,891.81 3382.68,3057.17 1217.32,3057.17 1217.32,891.81

## Silkscreen, mask and mechanical layers (free items; w line width, h text height)
Top Overlay:
  text "uNIT" at 625,4135 h30
  text "Designer: Gerard O'Leary" at 620,3890 h30
Bottom Courtyard:
  lines w7.8: 1642.66,1322.41 1642.66,2622.41 2942.66,2622.41 2942.66,1322.41 1642.66,1322.41

## Text inside footprints (layer, text, board x,y; h text height)
*: Top Overlay "33" at 1445,2669.5 h30; Top Overlay "22" at 1445,2575.5 h30; Top Overlay "12" at 1445,2481.5 h30; Top Overlay "23" at 1445,2387.5 h30; Top Overlay "13" at 1445,2293.5 h30; Top Overlay "34" at 1445,2199.5 h30; Top Overlay "24" at 1445,2105.5 h30; Top Overlay "14" at 1445,2011.5 h30; Top Overlay "15" at 1445,1917.5 h30; Top Overlay "25" at 1445,1823.5 h30; Top Overlay "35" at 1445,1729.5 h30; Top Overlay "16" at 1445,1635.5 h30; Top Overlay "26" at 1445,1541.5 h30; Top Overlay "17" at 1445,1447.5 h30; Top Overlay "27" at 1445,1353.5 h30; Top Overlay "36" at 1445,1259.5 h30; Top Overlay "63" at 3075,2669.5 h30; Top Overlay "72" at 3075,2575.5 h30; Top Overlay "82" at 3075,2481.5 h30; Top Overlay "73" at 3075,2387.5 h30; Top Overlay "83" at 3075,2293.5 h30; Top Overlay "64" at 3075,2199.5 h30; Top Overlay "74" at 3075,2105.5 h30; Top Overlay "84" at 3075,2011.5 h30; Top Overlay "85" at 3075,1917.5 h30; Top Overlay "75" at 3075,1823.5 h30; Top Overlay "65" at 3075,1729.5 h30; Top Overlay "86" at 3075,1635.5 h30; Top Overlay "76" at 3075,1541.5 h30; Top Overlay "87" at 3075,1447.5 h30; Top Overlay "77" at 3075,1353.5 h30; Top Overlay "66" at 3075,1259.5 h30; Top Overlay "36" at 1613.5,1154.35 h30 r90; Top Overlay "72" at 1707.5,1154.35 h30 r90; Top Overlay "37" at 1801.5,1154.35 h30 r90; Top Overlay "38" at 1895.5,1154.35 h30 r90; Top Overlay "45" at 1989.5,1154.35 h30 r90; Top Overlay "46" at 2083.5,1154.35 h30 r90; Top Overlay "48" at 2177.5,1154.35 h30 r90; Top Overlay "47" at 2271.5,1154.35 h30 r90; Top Overlay "57" at 2365.5,1154.35 h30 r90; Top Overlay "58" at 2459.5,1154.35 h30 r90; Top Overlay "56" at 2553.5,1154.35 h30 r90; Top Overlay "55" at 2647.5,1154.35 h30 r90; Top Overlay "68" at 2741.5,1154.35 h30 r90; Top Overlay "67" at 2835.5,1154.35 h30 r90; Top Overlay "78" at 2929.5,1154.35 h30 r90; Top Overlay "66" at 3023.5,1154.35 h30 r90; Top Overlay "33" at 1613.5,2749.35 h30 r90; Top Overlay "21" at 1707.5,2749.35 h30 r90; Top Overlay "32" at 1801.5,2749.35 h30 r90; Top Overlay "31" at 1895.5,2749.35 h30 r90; Top Overlay "44" at 1989.5,2749.35 h30 r90; Top Overlay "43" at 2083.5,2749.35 h30 r90; Top Overlay "41" at 2177.5,2749.35 h30 r90; Top Overlay "42" at 2271.5,2749.35 h30 r90; Top Overlay "52" at 2365.5,2749.35 h30 r90; Top Overlay "51" at 2459.5,2749.35 h30 r90; Top Overlay "53" at 2553.5,2749.35 h30 r90; Top Overlay "54" at 2647.5,2749.35 h30 r90; Top Overlay "61" at 2741.5,2749.35 h30 r90; Top Overlay "62" at 2835.5,2749.35 h30 r90; Top Overlay "71" at 2929.5,2749.35 h30 r90; Top Overlay "66" at 3023.5,2749.35 h30 r90
J_DIG: Top Overlay "1" at 1566.14,4254.13 h40; Top Overlay "2" at 1554.33,4360.43 h40; Top Overlay "27" at 3018.11,4254.13 h40; Top Overlay "28" at 3018.11,4360.43 h40
L1: Top Overlay "LABORATORY" at 626.85,3978.27 h51.18; Top Overlay "2020" at 1325.67,3978.27 h51.18; Top Overlay "to" at 1030.39,4037.32 h118.11; Top Overlay "Brain" at 1168.19,4037.32 h118.11; Top Overlay "Neuron" at 626.85,4037.32 h118.11